# Altium PCB OneBox.PcbDoc (part 2 of 13) (continued)
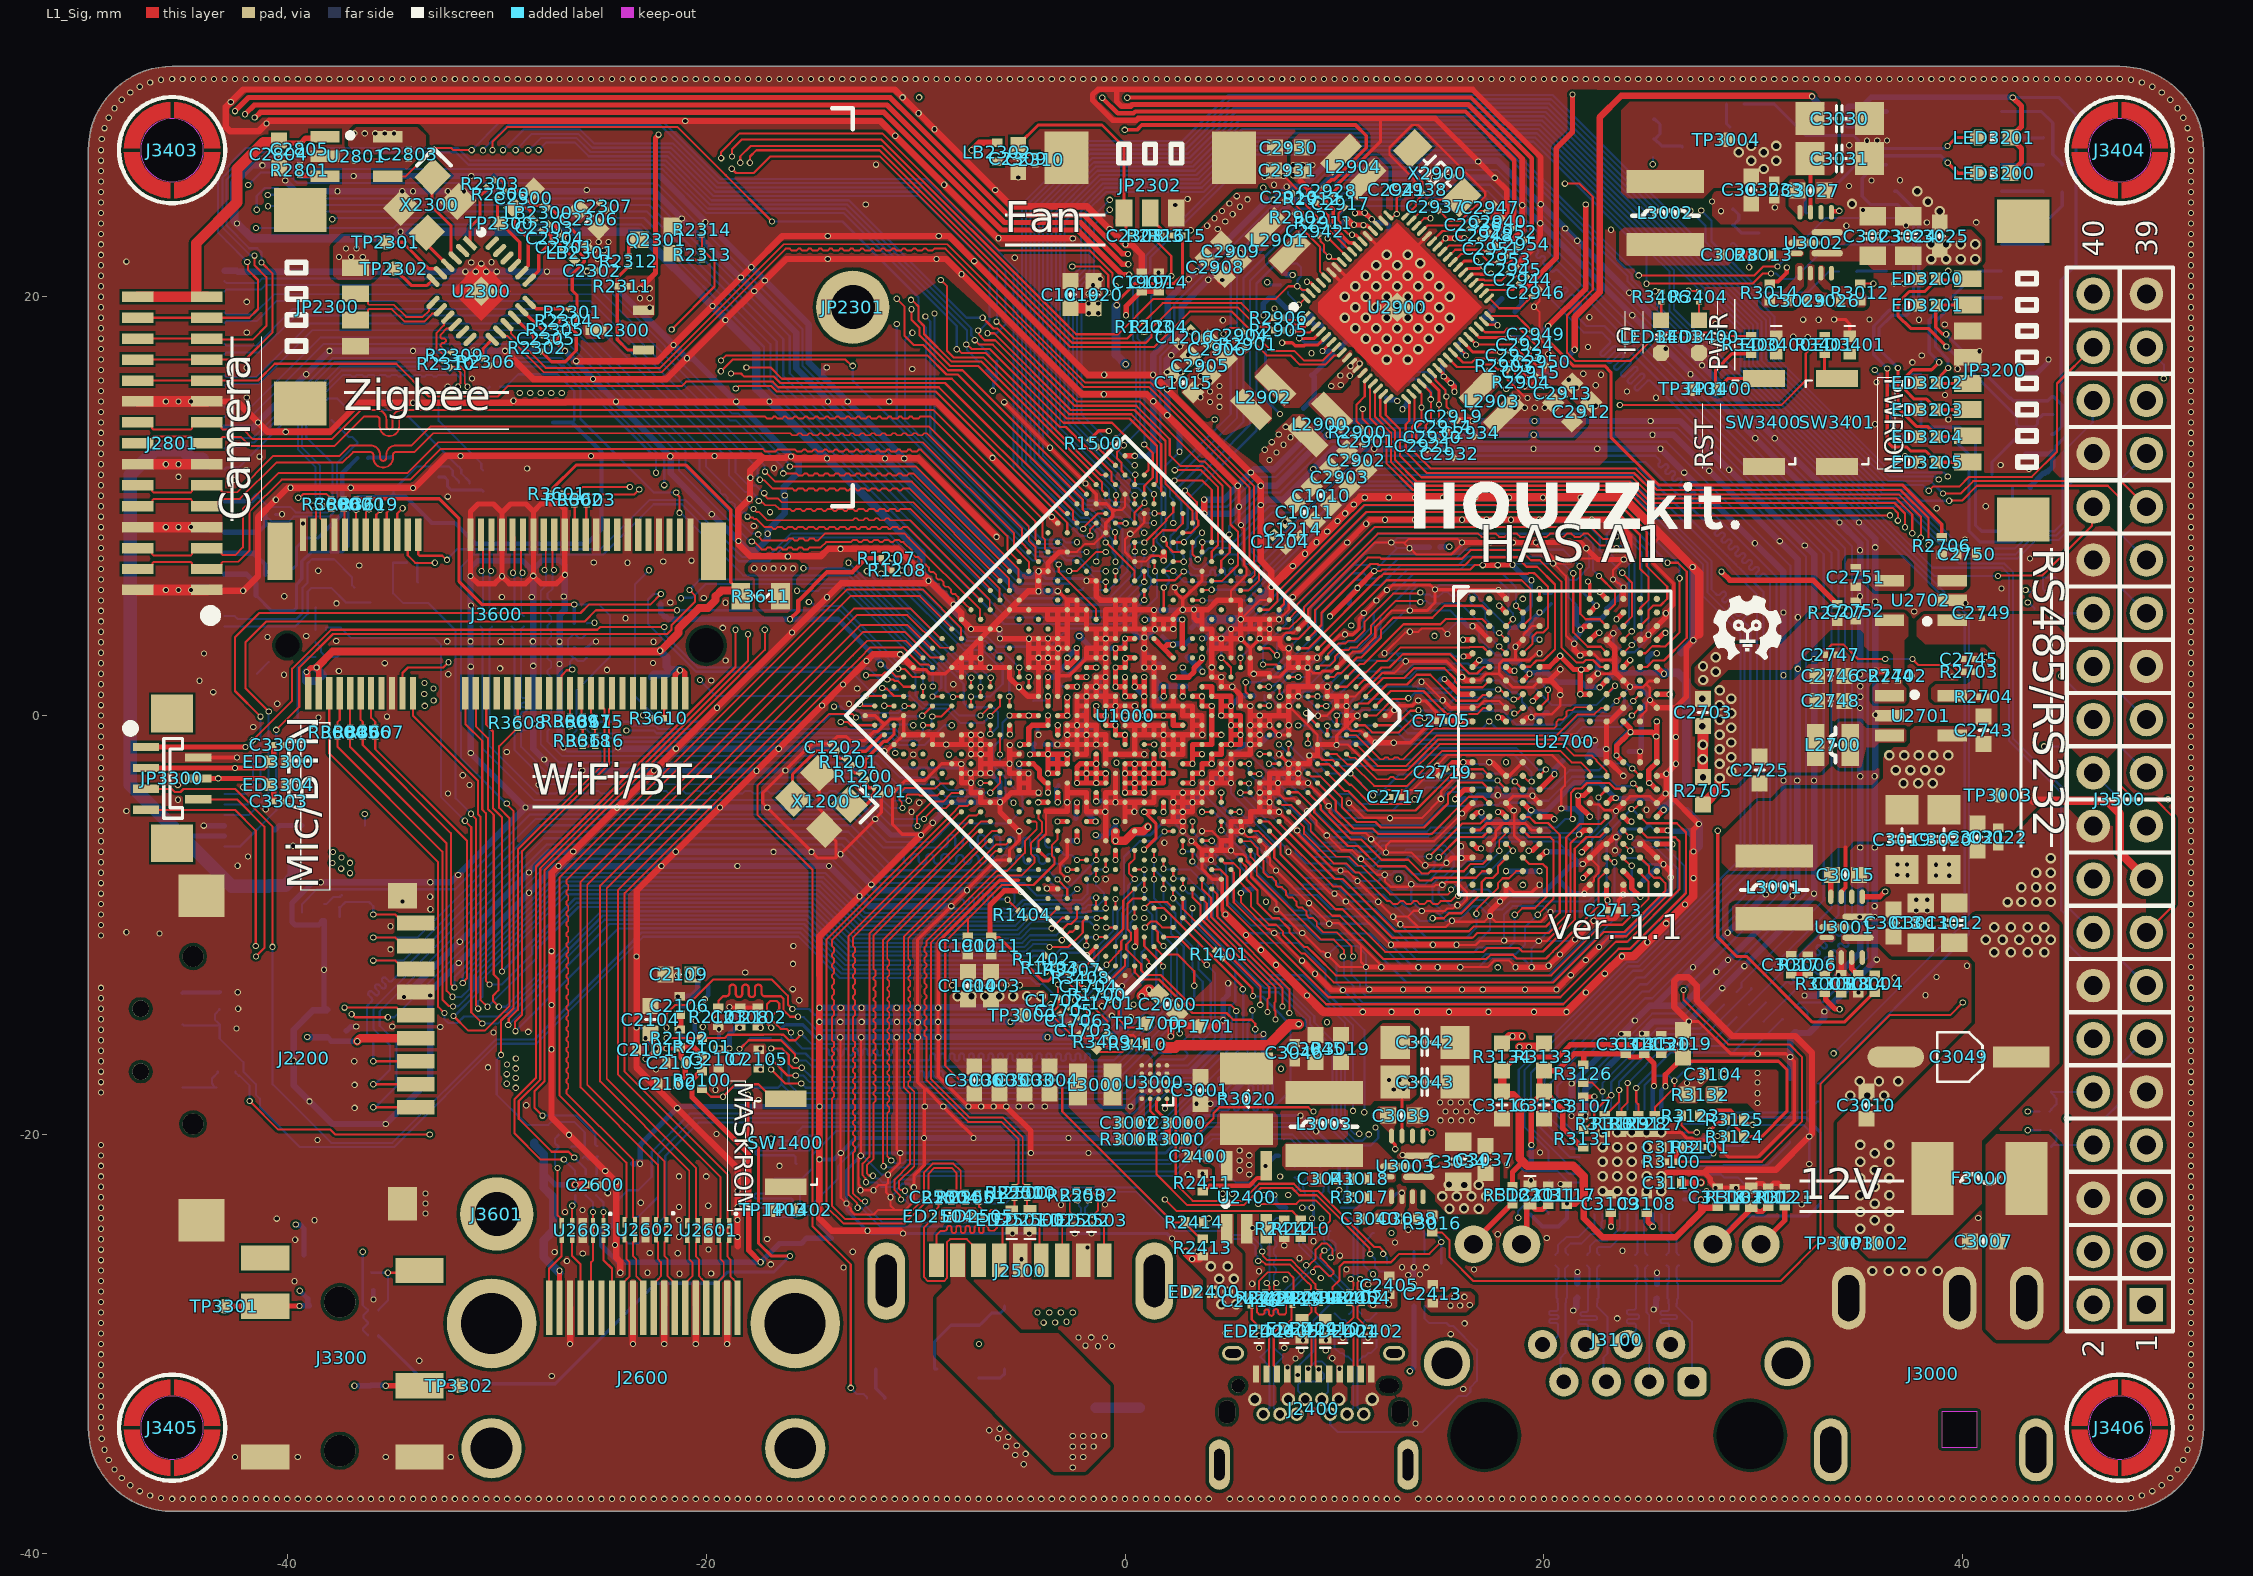
[diagram p0: L1_Sig view]
## Footprints (in the part's own frame and the unit in brackets; to place one, negate y for a bottom-side part, rotate by r counter-clockwise, add the part's x,y. Pads: shape width x height; smd on the part's side, far side on the other; paste and mask are expansions set on the pad) (continued)
  silkscreen extent -7.4,-5.3 7.3,5.08, body extent -7.25,-5 7.25,5, height 1.01
FCBGA636L [mm]
  round 0.25 smd: A1(-8.775,8.775) A2(-8.125,8.775) A3(-7.475,8.775) A4(-6.825,8.775) A5(-6.175,8.775) A6(-5.525,8.775) A7(-4.875,8.775) A8(-4.225,8.775) A9(-3.575,8.775) A10(-2.925,8.775) A11(-2.275,8.775) A12(-1.625,8.775) A13(-0.975,8.775) A14(-0.325,8.775) A15(0.325,8.775) A16(0.975,8.775) A17(1.625,8.775) A18(2.275,8.775) A19(2.925,8.775) A20(3.575,8.775) A21(4.225,8.775) A22(4.875,8.775) A23(5.525,8.775) A24(6.175,8.775) A25(6.825,8.775) A26(7.475,8.775) A27(8.125,8.775) A28(8.775,8.775) AA1(-8.775,-4.225) AA2(-8.125,-4.225) AA3(-7.475,-4.225) AA4(-6.825,-4.225) AA5(-6.175,-4.225) AA6(-5.525,-4.225) AA7(-4.875,-4.225) AA9(-3.575,-4.225) AA11(-2.275,-4.225) AA12(-1.625,-4.225) AA14(-0.325,-4.225) AA15(0.325,-4.225) AA17(1.625,-4.225) AA18(2.275,-4.225) AA20(3.575,-4.225) AA22(4.875,-4.225) AA23(5.525,-4.225) AA24(6.175,-4.225) AA25(6.825,-4.225) AA26(7.475,-4.225) AA27(8.125,-4.225) AA28(8.775,-4.225) AB1(-8.775,-4.875) AB2(-8.125,-4.875) AB5(-6.175,-4.875) AB6(-5.525,-4.875) AB8(-4.225,-4.875) AB9(-3.575,-4.875) AB11(-2.275,-4.875) AB12(-1.625,-4.875) AB14(-0.325,-4.875) AB15(0.325,-4.875) AB17(1.625,-4.875) AB18(2.275,-4.875) AB20(3.575,-4.875) AB21(4.225,-4.875) AB23(5.525,-4.875) AB24(6.175,-4.875) AB27(8.125,-4.875) AB28(8.775,-4.875) AC1(-8.775,-5.525) AC2(-8.125,-5.525) AC3(-7.475,-5.525) AC4(-6.825,-5.525) AC5(-6.175,-5.525) AC7(-4.875,-5.525) AC8(-4.225,-5.525) AC9(-3.575,-5.525) AC11(-2.275,-5.525) AC12(-1.625,-5.525) AC14(-0.325,-5.525) AC15(0.325,-5.525) AC17(1.625,-5.525) AC18(2.275,-5.525) AC20(3.575,-5.525) AC21(4.225,-5.525) AC22(4.875,-5.525) AC24(6.175,-5.525) AC25(6.825,-5.525) AC26(7.475,-5.525) AC27(8.125,-5.525) AC28(8.775,-5.525) AD1(-8.775,-6.175) AD2(-8.125,-6.175) AD3(-7.475,-6.175) AD4(-6.825,-6.175) AD6(-5.525,-6.175) AD7(-4.875,-6.175) AD8(-4.225,-6.175) AD9(-3.575,-6.175) AD11(-2.275,-6.175) AD12(-1.625,-6.175) AD14(-0.325,-6.175) AD15(0.325,-6.175) AD17(1.625,-6.175) AD18(2.275,-6.175) AD20(3.575,-6.175) AD21(4.225,-6.175) AD22(4.875,-6.175) AD23(5.525,-6.175) AD25(6.825,-6.175) AD26(7.475,-6.175) AD27(8.125,-6.175) AD28(8.775,-6.175) AE1(-8.775,-6.825) AE2(-8.125,-6.825) AE3(-7.475,-6.825) AE5(-6.175,-6.825) AE6(-5.525,-6.825) AE8(-4.225,-6.825) AE9(-3.575,-6.825) AE11(-2.275,-6.825) AE12(-1.625,-6.825) AE14(-0.325,-6.825) AE15(0.325,-6.825) AE17(1.625,-6.825) AE18(2.275,-6.825) AE20(3.575,-6.825) AE21(4.225,-6.825) AE23(5.525,-6.825) AE24(6.175,-6.825) AE26(7.475,-6.825) AE27(8.125,-6.825) AE28(8.775,-6.825) AF1(-8.775,-7.475) AF2(-8.125,-7.475) AF3(-7.475,-7.475) AF4(-6.825,-7.475) AF5(-6.175,-7.475) AF6(-5.525,-7.475) AF8(-4.225,-7.475) AF9(-3.575,-7.475) AF11(-2.275,-7.475) AF12(-1.625,-7.475) AF14(-0.325,-7.475) AF15(0.325,-7.475) AF17(1.625,-7.475) AF18(2.275,-7.475) AF20(3.575,-7.475) AF21(4.225,-7.475) AF23(5.525,-7.475) AF24(6.175,-7.475) AF25(6.825,-7.475) AF26(7.475,-7.475) AF27(8.125,-7.475) AF28(8.775,-7.475) AG1(-8.775,-8.125) AG2(-8.125,-8.125) AG3(-7.475,-8.125) AG4(-6.825,-8.125) AG5(-6.175,-8.125) AG6(-5.525,-8.125) AG7(-4.875,-8.125) AG8(-4.225,-8.125) AG9(-3.575,-8.125) AG10(-2.925,-8.125) AG11(-2.275,-8.125) AG12(-1.625,-8.125) AG13(-0.975,-8.125) AG14(-0.325,-8.125) AG15(0.325,-8.125) AG16(0.975,-8.125) AG17(1.625,-8.125) AG18(2.275,-8.125) AG19(2.925,-8.125) AG20(3.575,-8.125) AG21(4.225,-8.125) AG22(4.875,-8.125) AG23(5.525,-8.125) AG24(6.175,-8.125) AG25(6.825,-8.125) AG26(7.475,-8.125) AG27(8.125,-8.125) AG28(8.775,-8.125) AH1(-8.775,-8.775) AH2(-8.125,-8.775) AH3(-7.475,-8.775) AH4(-6.825,-8.775) AH5(-6.175,-8.775) AH6(-5.525,-8.775) AH7(-4.875,-8.775) AH8(-4.225,-8.775) AH9(-3.575,-8.775) AH10(-2.925,-8.775) AH11(-2.275,-8.775) AH12(-1.625,-8.775) AH13(-0.975,-8.775) AH14(-0.325,-8.775) AH15(0.325,-8.775) AH16(0.975,-8.775) AH17(1.625,-8.775) AH18(2.275,-8.775) AH19(2.925,-8.775) AH20(3.575,-8.775) AH21(4.225,-8.775) AH22(4.875,-8.775) AH23(5.525,-8.775) AH24(6.175,-8.775) AH25(6.825,-8.775) AH26(7.475,-8.775) AH27(8.125,-8.775) AH28(8.775,-8.775) B1(-8.775,8.125) B2(-8.125,8.125) B3(-7.475,8.125) B4(-6.825,8.125) B5(-6.175,8.125) B6(-5.525,8.125) B7(-4.875,8.125) B8(-4.225,8.125) B9(-3.575,8.125) B10(-2.925,8.125) B11(-2.275,8.125) B12(-1.625,8.125) B13(-0.975,8.125) B14(-0.325,8.125) B15(0.325,8.125) B16(0.975,8.125) B17(1.625,8.125) B18(2.275,8.125) B19(2.925,8.125) B20(3.575,8.125) B21(4.225,8.125) B22(4.875,8.125) B23(5.525,8.125) B24(6.175,8.125) B25(6.825,8.125) B26(7.475,8.125) B27(8.125,8.125) B28(8.775,8.125) C1(-8.775,7.475) C2(-8.125,7.475) C3(-7.475,7.475) C4(-6.825,7.475) C5(-6.175,7.475) C6(-5.525,7.475) C8(-4.225,7.475) C9(-3.575,7.475) C11(-2.275,7.475) C12(-1.625,7.475) C14(-0.325,7.475) C15(0.325,7.475) C17(1.625,7.475) C18(2.275,7.475) C20(3.575,7.475) C21(4.225,7.475) C23(5.525,7.475) C24(6.175,7.475) C25(6.825,7.475) C26(7.475,7.475) C27(8.125,7.475) C28(8.775,7.475) D1(-8.775,6.825) D2(-8.125,6.825) D3(-7.475,6.825) D5(-6.175,6.825) D6(-5.525,6.825) D8(-4.225,6.825) D9(-3.575,6.825) D11(-2.275,6.825) D12(-1.625,6.825) D14(-0.325,6.825) D15(0.325,6.825) D17(1.625,6.825) D18(2.275,6.825) D20(3.575,6.825) D21(4.225,6.825) D23(5.525,6.825) D24(6.175,6.825) D26(7.475,6.825) D27(8.125,6.825) D28(8.775,6.825) E1(-8.775,6.175) E2(-8.125,6.175) E3(-7.475,6.175) E4(-6.825,6.175) E6(-5.525,6.175) E7(-4.875,6.175) E8(-4.225,6.175) E9(-3.575,6.175) E11(-2.275,6.175) E12(-1.625,6.175) E14(-0.325,6.175) E15(0.325,6.175) E17(1.625,6.175) E18(2.275,6.175) E20(3.575,6.175) E21(4.225,6.175) E22(4.875,6.175) E23(5.525,6.175) E25(6.825,6.175) E26(7.475,6.175) E27(8.125,6.175) E28(8.775,6.175) F1(-8.775,5.525) F2(-8.125,5.525) F3(-7.475,5.525) F4(-6.825,5.525) F5(-6.175,5.525) F7(-4.875,5.525) F8(-4.225,5.525) F9(-3.575,5.525) F11(-2.275,5.525) F12(-1.625,5.525) F14(-0.325,5.525) F15(0.325,5.525) F17(1.625,5.525) F18(2.275,5.525) F20(3.575,5.525) F21(4.225,5.525) F22(4.875,5.525) F24(6.175,5.525) F25(6.825,5.525) F26(7.475,5.525) F27(8.125,5.525) F28(8.775,5.525) G1(-8.775,4.875) G2(-8.125,4.875) G5(-6.175,4.875) G6(-5.525,4.875) G8(-4.225,4.875) G9(-3.575,4.875) G11(-2.275,4.875) G12(-1.625,4.875) G14(-0.325,4.875) G15(0.325,4.875) G17(1.625,4.875) G18(2.275,4.875) G20(3.575,4.875) G21(4.225,4.875) G23(5.525,4.875) G24(6.175,4.875) G27(8.125,4.875) G28(8.775,4.875) H1(-8.775,4.225) H2(-8.125,4.225) H3(-7.475,4.225) H4(-6.825,4.225) H5(-6.175,4.225) H6(-5.525,4.225) H7(-4.875,4.225) H9(-3.575,4.225) H11(-2.275,4.225) H12(-1.625,4.225) H14(-0.325,4.225) H15(0.325,4.225) H17(1.625,4.225) H18(2.275,4.225) H20(3.575,4.225) H22(4.875,4.225) H23(5.525,4.225) H24(6.175,4.225) H25(6.825,4.225) H26(7.475,4.225) H27(8.125,4.225) H28(8.775,4.225) J1(-8.775,3.575) J2(-8.125,3.575) J3(-7.475,3.575) J4(-6.825,3.575) J5(-6.175,3.575) J6(-5.525,3.575) J7(-4.875,3.575) J8(-4.225,3.575) J9(-3.575,3.575) J11(-2.275,3.575) J12(-1.625,3.575) J14(-0.325,3.575) J15(0.325,3.575) J17(1.625,3.575) J18(2.275,3.575) J20(3.575,3.575) J21(4.225,3.575) J22(4.875,3.575) J23(5.525,3.575) J24(6.175,3.575) J25(6.825,3.575) J26(7.475,3.575) J27(8.125,3.575) J28(8.775,3.575) K1(-8.775,2.925) K2(-8.125,2.925) K10(-2.925,2.925) K11(-2.275,2.925) K12(-1.625,2.925) K13(-0.975,2.925) K14(-0.325,2.925) K15(0.325,2.925) K16(0.975,2.925) K17(1.625,2.925) K18(2.275,2.925) K19(2.925,2.925) K27(8.125,2.925) K28(8.775,2.925) L1(-8.775,2.275) L2(-8.125,2.275) L3(-7.475,2.275) L4(-6.825,2.275) L5(-6.175,2.275) L6(-5.525,2.275) L7(-4.875,2.275) L8(-4.225,2.275) L9(-3.575,2.275) L10(-2.925,2.275) L11(-2.275,2.275) L12(-1.625,2.275) L13(-0.975,2.275) L14(-0.325,2.275) L15(0.325,2.275) L16(0.975,2.275) L17(1.625,2.275) L18(2.275,2.275) L19(2.925,2.275) L20(3.575,2.275) L21(4.225,2.275) L22(4.875,2.275) L23(5.525,2.275) L24(6.175,2.275) L25(6.825,2.275) L26(7.475,2.275) L27(8.125,2.275) L28(8.775,2.275) M1(-8.775,1.625) M2(-8.125,1.625) M3(-7.475,1.625) M4(-6.825,1.625) M5(-6.175,1.625) M6(-5.525,1.625) M7(-4.875,1.625) M8(-4.225,1.625) M9(-3.575,1.625) M10(-2.925,1.625) M11(-2.275,1.625) M12(-1.625,1.625) M13(-0.975,1.625) M14(-0.325,1.625) M15(0.325,1.625) M16(0.975,1.625) M17(1.625,1.625) M18(2.275,1.625) M19(2.925,1.625) M20(3.575,1.625) M21(4.225,1.625) M22(4.875,1.625) M23(5.525,1.625) M24(6.175,1.625) M25(6.825,1.625) M26(7.475,1.625) M27(8.125,1.625) M28(8.775,1.625) N1(-8.775,0.975) N2(-8.125,0.975) N10(-2.925,0.975) N11(-2.275,0.975) N12(-1.625,0.975) N13(-0.975,0.975) N14(-0.325,0.975) N15(0.325,0.975) N16(0.975,0.975) N17(1.625,0.975) N18(2.275,0.975) N19(2.925,0.975) N27(8.125,0.975) N28(8.775,0.975) P1(-8.775,0.325) P2(-8.125,0.325) P3(-7.475,0.325) P4(-6.825,0.325) P5(-6.175,0.325) P6(-5.525,0.325) P7(-4.875,0.325) P8(-4.225,0.325) P9(-3.575,0.325) P10(-2.925,0.325) P11(-2.275,0.325) P12(-1.625,0.325) P13(-0.975,0.325) P14(-0.325,0.325) P15(0.325,0.325) P16(0.975,0.325) P17(1.625,0.325) P18(2.275,0.325) P19(2.925,0.325) P20(3.575,0.325) P21(4.225,0.325) P22(4.875,0.325) P23(5.525,0.325) P24(6.175,0.325) P25(6.825,0.325) P26(7.475,0.325) P27(8.125,0.325) P28(8.775,0.325) R1(-8.775,-0.325) R2(-8.125,-0.325) R3(-7.475,-0.325) R4(-6.825,-0.325) R5(-6.175,-0.325) R6(-5.525,-0.325) R7(-4.875,-0.325) R8(-4.225,-0.325) R9(-3.575,-0.325) R10(-2.925,-0.325) R11(-2.275,-0.325) R12(-1.625,-0.325) R13(-0.975,-0.325) R14(-0.325,-0.325) R15(0.325,-0.325) R16(0.975,-0.325) R17(1.625,-0.325) R18(2.275,-0.325) R19(2.925,-0.325) R20(3.575,-0.325) R21(4.225,-0.325) R22(4.875,-0.325) R23(5.525,-0.325) R24(6.175,-0.325) R25(6.825,-0.325) R26(7.475,-0.325) R27(8.125,-0.325) R28(8.775,-0.325) T1(-8.775,-0.975) T2(-8.125,-0.975) T10(-2.925,-0.975) T11(-2.275,-0.975) T12(-1.625,-0.975) T13(-0.975,-0.975) T14(-0.325,-0.975) T15(0.325,-0.975) T16(0.975,-0.975) T17(1.625,-0.975) T18(2.275,-0.975) T19(2.925,-0.975) T27(8.125,-0.975) T28(8.775,-0.975) U1(-8.775,-1.625) U2(-8.125,-1.625) U3(-7.475,-1.625) U4(-6.825,-1.625) U5(-6.175,-1.625) U6(-5.525,-1.625) U7(-4.875,-1.625) U8(-4.225,-1.625) U9(-3.575,-1.625) U10(-2.925,-1.625) U11(-2.275,-1.625) U12(-1.625,-1.625) U13(-0.975,-1.625) U14(-0.325,-1.625) U15(0.325,-1.625) U16(0.975,-1.625) U17(1.625,-1.625) U18(2.275,-1.625) U19(2.925,-1.625) U20(3.575,-1.625) U21(4.225,-1.625) U22(4.875,-1.625) U23(5.525,-1.625) U24(6.175,-1.625) U25(6.825,-1.625) U26(7.475,-1.625) U27(8.125,-1.625) U28(8.775,-1.625) V1(-8.775,-2.275) V2(-8.125,-2.275) V3(-7.475,-2.275) V4(-6.825,-2.275) V5(-6.175,-2.275) V6(-5.525,-2.275) V7(-4.875,-2.275) V8(-4.225,-2.275) V9(-3.575,-2.275) V10(-2.925,-2.275) V11(-2.275,-2.275) V12(-1.625,-2.275) V13(-0.975,-2.275) V14(-0.325,-2.275) V15(0.325,-2.275) V16(0.975,-2.275) V17(1.625,-2.275) V18(2.275,-2.275) V19(2.925,-2.275) V20(3.575,-2.275) V21(4.225,-2.275) V22(4.875,-2.275) V23(5.525,-2.275) V24(6.175,-2.275) V25(6.825,-2.275) V26(7.475,-2.275) V27(8.125,-2.275) V28(8.775,-2.275) W1(-8.775,-2.925) W2(-8.125,-2.925) W10(-2.925,-2.925) W11(-2.275,-2.925) W12(-1.625,-2.925) W13(-0.975,-2.925) W14(-0.325,-2.925) W15(0.325,-2.925) W16(0.975,-2.925) W17(1.625,-2.925) W18(2.275,-2.925) W19(2.925,-2.925) W27(8.125,-2.925) W28(8.775,-2.925) Y1(-8.775,-3.575) Y2(-8.125,-3.575) Y3(-7.475,-3.575) Y4(-6.825,-3.575) Y5(-6.175,-3.575) Y6(-5.525,-3.575) Y7(-4.875,-3.575) Y8(-4.225,-3.575) Y9(-3.575,-3.575) Y11(-2.275,-3.575) Y12(-1.625,-3.575) Y14(-0.325,-3.575) Y15(0.325,-3.575) Y17(1.625,-3.575) Y18(2.275,-3.575) Y20(3.575,-3.575) Y21(4.225,-3.575) Y22(4.875,-3.575) Y23(5.525,-3.575) Y24(6.175,-3.575) Y25(6.825,-3.575) Y26(7.475,-3.575) Y27(8.125,-3.575) Y28(8.775,-3.575)
  silkscreen extent -9.43,-9.43 9.43,9.43, body extent -9.48,-9.52 9.52,9.48, height 1.49
"FPC0.5 2H-WS-6P" [mm] "长：7.2mm，宽：5.2mm，高：2mm"
  rect 1.8x2.2 smd: 0(-2.9,0) 0(2.9,0)
  rect 0.3x1.3 smd: 1(-1.25,2.497) 2(-0.75,2.497) 3(-0.25,2.497) 4(0.25,2.497) 5(0.75,2.497) 6(1.25,2.497)
  body extent -3.6,-3.15 3.6,2.85, height 2
"FPC0.5 2H-WS-40P" [mm] "长：24.2mm，宽：5.2mm，高：2mm"
  rect 1.8x2.2 smd: 0(-11.4,0) 0(11.4,0)
  rect 0.3x1.3 smd: 1(-9.75,2.497) 2(-9.25,2.497) 3(-8.75,2.497) 4(-8.25,2.497) 5(-7.75,2.497) 6(-7.25,2.497) 7(-6.75,2.497) 8(-6.25,2.497) 9(-5.75,2.497) 10(-5.25,2.497) 11(-4.75,2.497) 12(-4.25,2.497) 13(-3.75,2.497) 14(-3.25,2.497) 15(-2.75,2.497) 16(-2.25,2.497) 17(-1.75,2.497) 18(-1.25,2.497) 19(-0.75,2.497) 20(-0.25,2.497) 21(0.25,2.497) 22(0.75,2.497) 23(1.25,2.497) 24(1.75,2.497) 25(2.25,2.497) 26(2.75,2.497) 27(3.25,2.497) 28(3.75,2.497) 29(4.25,2.497) 30(4.75,2.497) 31(5.25,2.497) 32(5.75,2.497) 33(6.25,2.497) 34(6.75,2.497) 35(7.25,2.497) 36(7.75,2.497) 37(8.25,2.497) 38(8.75,2.497) 39(9.25,2.497) 40(9.75,2.497)
  body extent -12.1,-3.15 12.1,2.85, height 2
"FPC0.5 K-A-7PB" [mm] "长：7.7mm，宽：5.2mm，高：2mm"
  rect 0.4x1.25 smd mask+0.05: 1(-1.5,-1.25) 2(-1,1.25) 3(-0.5,-1.25) 4(0,1.25) 5(0.5,-1.25) 6(1,1.25) 7(1.5,-1.25)
  rect 1.8x2 smd mask+0.05: 8(3.1,0) 9(-3.1,0)
  silkscreen extent -2.59,-2.19 1.9,0.5, body extent -4.6,-1.73 4.55,1.77, height 4.55
FPC1.0-2H-LI-15P [mm] "翻盖FPC，脚距1mm，不含脚（长19.9mm，宽5.2mm，高1.96mm）"
  rect 0.5x1.5 smd mask+0.05: 1(-7,-1.65) 1(-7,1.65) 2(-6,-1.65) 2(-6,1.65) 3(-5,-1.65) 3(-5,1.65) 4(-4,-1.65) 4(-4,1.65) 5(-3,-1.65) 5(-3,1.65) 6(-2,-1.65) 6(-2,1.65) 7(-1,1.65) 7(-1,-1.65) 8(0,1.65) 8(0,-1.65) 9(1,1.65) 9(1,-1.65) 10(2,-1.65) 10(2,1.65) 11(3,-1.65) 11(3,1.65) 12(4,-1.65) 12(4,1.65) 13(5,-1.65) 13(5,1.65) 14(6,-1.65) 14(6,1.65) 15(7,-1.65) 15(7,1.65)
  silkscreen extent -8.47,-2.08 -7.97,-1.58, body extent -11.05,-2.25 11.05,2.25, height 5.5
"FU 1812" [mm] "贴片保险丝"
  rect 2x3.5 smd: 1(-2.25,0) 2(2.25,0)
  silkscreen extent -0.91,-0.2 0.87,0.24, body extent -2.3,-1.61 2.3,1.61, height 0.87
HDMI [mm]
  rect 0.3x2.6 smd: 1(4.5,5.235) 2(4,5.235) 3(3.5,5.235) 4(3,5.235) 5(2.5,5.235) 6(2,5.235) 7(1.5,5.235) 8(1,5.235) 9(0.5,5.235) 10(0,5.235) 11(-0.5,5.235) 12(-1,5.235) 13(-1.5,5.235) 14(-2,5.235) 15(-2.5,5.235) 16(-3,5.235) 17(-3.5,5.235) 18(-4,5.235) 19(-4.5,5.235)
  round 4.275 hole 2.909: MH1(-7.25,4.475) MH2(7.25,4.475)
  round 2.88 hole 1.992: MH3(-7.25,-1.485) MH4(7.25,-1.485)
  body extent -7.5,-5.99 7.5,6.16, height 6.18
HDR2.54-LI-2X20P [mm] "双排排针，20x2脚"
  rect 1.6x1.6 hole 0.9: 1(-24.13,-1.27)
  round 1.6 hole 0.9: 2(-24.13,1.27) 3(-21.59,-1.27) 4(-21.59,1.27) 5(-19.05,-1.27) 6(-19.05,1.27) 7(-16.51,-1.27) 8(-16.51,1.27) 9(-13.97,-1.27) 10(-13.97,1.27) 11(-11.43,-1.27) 12(-11.43,1.27) 13(-8.89,-1.27) 14(-8.89,1.27) 15(-6.35,-1.27) 16(-6.35,1.27) 17(-3.81,-1.27) 18(-3.81,1.27) 19(-1.27,-1.27) 20(-1.27,1.27) 21(1.27,-1.27) 22(1.27,1.27) 23(3.81,-1.27) 24(3.81,1.27) 25(6.35,-1.27) 26(6.35,1.27) 27(8.89,-1.27) 28(8.89,1.27) 29(11.43,-1.27) 30(11.43,1.27) 31(13.97,-1.27) 32(13.97,1.27) 33(16.51,-1.27) 34(16.51,1.27) 35(19.05,-1.27) 36(19.05,1.27) 37(21.59,-1.27) 38(21.59,1.27) 39(24.13,-1.27) 40(24.13,1.27)
  silkscreen extent -25.4,-2.54 25.4,2.54, body extent -25.4,-2.54 25.4,2.54, height 8.5
"LED 0603B" [mil] "蓝色0603LED"
  rect 30x30 smd: 1(-30.59,0)
  oct 30x30 smd: 2(30.59,0)
  silkscreen extent -4,-10 6,9, body extent -31,-16 32,16, height 24
"LED 0603G" [mil] "绿色0603LED"
  rect 30x30 smd: 1(-30.59,0)
  oct 30x30 smd: 2(30.59,0)
  silkscreen extent -4,-10 6,9, body extent -31,-16 32,16, height 24
"LED 0603Y" [mil] "黄色0603LED"
  rect 30x30 smd: 1(-30.59,0)
  oct 30x30 smd: 2(30.59,0)
  silkscreen extent -4,-10 6,9, body extent -31,-16 31,16, height 24
"M.2 NGFF E-KEY" [mm]
  rect 0.3x1.55 smd: 1(-9.25,3.625) 2(-9,-3.925) 3(-8.75,3.625) 4(-8.5,-3.925) 5(-8.25,3.625) 6(-8,-3.925) 7(-7.75,3.625) 8(-7.5,-3.925) 9(-7.25,3.625) 10(-7,-3.925) 11(-6.75,3.625) 12(-6.5,-3.925) 13(-6.25,3.625) 14(-6,-3.925) 15(-5.75,3.625) 16(-5.5,-3.925) 17(-5.25,3.625) 18(-5,-3.925) 19(-4.75,3.625) 20(-4.5,-3.925) 21(-4.25,3.625) 22(-4,-3.925) 23(-3.75,3.625) 32(-1.5,-3.925) 33(-1.25,3.625) 34(-1,-3.925) 35(-0.75,3.625) 36(-0.5,-3.925) 37(-0.25,3.625) 38(0,-3.925) 39(0.25,3.625) 40(0.5,-3.925) 41(0.75,3.625) 42(1,-3.925) 43(1.25,3.625) 44(1.5,-3.925) 45(1.75,3.625) 46(2,-3.925) 47(2.25,3.625) 48(2.5,-3.925) 49(2.75,3.625) 50(3,-3.925) 51(3.25,3.625) 52(3.5,-3.925) 53(3.75,3.625) 54(4,-3.925) 55(4.25,3.625) 56(4.5,-3.925) 57(4.75,3.625) 58(5,-3.925) 59(5.25,3.625) 60(5.5,-3.925) 61(5.75,3.625) 62(6,-3.925) 63(6.25,3.625) 64(6.5,-3.925) 65(6.75,3.625) 66(7,-3.925) 67(7.25,3.625) 68(7.5,-3.925) 69(7.75,3.625) 70(8,-3.925) 71(8.25,3.625) 72(8.5,-3.925) 73(8.75,3.625) 74(9,-3.925) 75(9.25,3.625)
  rect 1.2x2.75 smd: 76(-10.35,2.85) 77(10.35,2.85)
  round 0.575 hole 1.15 unplated: 78(-10,-1.65)
  round 0.825 hole 1.65 unplated: 79(10,-1.65)
  body extent -10.95,-4.5 10.95,4.2, height 4.13
"M.2 SMT HOLE" [mm]
  L1_Sig region: 2.294,-0.099 1.544,-0.099 1.544,-0.099 1.54,-0.157 1.533,-0.214 1.524,-0.27 1.513,-0.327 1.5,-0.383 1.485,-0.438 1.468,-0.493 1.448,-0.547 1.427,-0.6 1.404,-0.653 1.379,-0.705 1.352,-0.755 1.323,-0.805 1.292,-0.854 1.26,-0.901 1.226,-0.947 1.19,-0.992 1.152,-1.036 1.113,-1.078 1.073,-1.118 1.031,-1.158 0.987,-1.195 0.942,-1.231 0.896,-1.265 0.849,-1.298 0.8,-1.328 0.75,-1.357 0.7,-1.384 0.648,-1.409 0.595,-1.432 0.542,-1.453 0.488,-1.473 0.433,-1.49 0.378,-1.505 0.322,-1.518 0.265,-1.529 0.208,-1.538 0.151,-1.545 0.094,-1.549 0.094,-2.299 0.094,-2.299 0.164,-2.295 0.233,-2.289 0.302,-2.281 0.371,-2.271 0.44,-2.258 0.508,-2.244 0.576,-2.227 0.643,-2.208 0.71,-2.188 0.776,-2.165 0.841,-2.141 0.905,-2.114 0.969,-2.085 1.032,-2.055 1.094,-2.023 1.154,-1.988 1.214,-1.952 1.273,-1.915 1.33,-1.875 1.386,-1.834 1.441,-1.791 1.495,-1.746 1.547,-1.7 1.598,-1.652 1.647,-1.603 1.695,-1.552 1.741,-1.5 1.786,-1.446 1.829,-1.391 1.87,-1.335 1.91,-1.278 1.947,-1.219 1.983,-1.159 2.018,-1.099 2.05,-1.037 2.08,-0.974 2.109,-0.911 2.135,-0.846 2.16,-0.781 2.183,-0.715 2.203,-0.648 2.222,-0.581 2.239,-0.513 2.253,-0.445 2.265,-0.377 2.276,-0.308 2.284,-0.238 2.29,-0.169 2.294,-0.099
  L1_Sig region: -2.3,0.094 -1.55,0.094 -1.55,0.094 -1.545,0.151 -1.538,0.208 -1.529,0.265 -1.518,0.321 -1.505,0.377 -1.49,0.432 -1.473,0.487 -1.454,0.542 -1.433,0.595 -1.41,0.647 -1.384,0.699 -1.357,0.75 -1.329,0.8 -1.298,0.848 -1.266,0.896 -1.231,0.942 -1.195,0.987 -1.158,1.03 -1.119,1.072 -1.078,1.113 -1.036,1.152 -0.993,1.189 -0.948,1.225 -0.902,1.259 -0.854,1.292 -0.806,1.323 -0.756,1.351 -0.705,1.378 -0.653,1.404 -0.601,1.427 -0.547,1.448 -0.493,1.467 -0.438,1.484 -0.383,1.499 -0.327,1.512 -0.271,1.523 -0.214,1.532 -0.157,1.539 -0.1,1.544 -0.1,2.294 -0.1,2.294 -0.169,2.29 -0.239,2.284 -0.308,2.275 -0.377,2.265 -0.446,2.253 -0.514,2.238 -0.582,2.222 -0.649,2.203 -0.715,2.182 -0.781,2.16 -0.847,2.135 -0.911,2.108 -0.975,2.08 -1.037,2.049 -1.099,2.017 -1.16,1.983 -1.22,1.947 -1.278,1.909 -1.336,1.87 -1.392,1.828 -1.447,1.785 -1.5,1.741 -1.552,1.694 -1.603,1.647 -1.653,1.597 -1.7,1.546 -1.747,1.494 -1.791,1.441 -1.834,1.386 -1.875,1.33 -1.915,1.272 -1.953,1.214 -1.989,1.154 -2.023,1.093 -2.055,1.031 -2.086,0.969 -2.114,0.905 -2.141,0.841 -2.166,0.775 -2.188,0.709 -2.209,0.643 -2.227,0.576 -2.244,0.508 -2.259,0.44 -2.271,0.371 -2.281,0.302 -2.29,0.233 -2.296,0.163 -2.3,0.094
  L1_Sig region: -0.099,-2.3 -0.099,-1.55 -0.099,-1.55 -0.157,-1.545 -0.214,-1.538 -0.27,-1.529 -0.327,-1.518 -0.383,-1.505 -0.438,-1.49 -0.493,-1.473 -0.547,-1.454 -0.601,-1.433 -0.653,-1.41 -0.705,-1.384 -0.755,-1.357 -0.805,-1.329 -0.854,-1.298 -0.901,-1.266 -0.947,-1.231 -0.992,-1.195 -1.036,-1.158 -1.078,-1.119 -1.118,-1.078 -1.158,-1.036 -1.195,-0.993 -1.231,-0.948 -1.265,-0.902 -1.298,-0.854 -1.328,-0.806 -1.357,-0.756 -1.384,-0.705 -1.409,-0.653 -1.432,-0.601 -1.453,-0.548 -1.473,-0.493 -1.49,-0.439 -1.505,-0.383 -1.518,-0.327 -1.529,-0.271 -1.538,-0.214 -1.545,-0.157 -1.549,-0.1 -2.299,-0.1 -2.299,-0.1 -2.295,-0.169 -2.289,-0.239 -2.281,-0.308 -2.271,-0.377 -2.258,-0.446 -2.244,-0.514 -2.227,-0.582 -2.209,-0.649 -2.188,-0.715 -2.165,-0.781 -2.141,-0.847 -2.114,-0.911 -2.086,-0.975 -2.055,-1.037 -2.023,-1.099 -1.989,-1.16 -1.953,-1.22 -1.915,-1.278 -1.875,-1.336 -1.834,-1.392 -1.791,-1.447 -1.746,-1.5 -1.7,-1.553 -1.652,-1.603 -1.603,-1.653 -1.552,-1.7 -1.5,-1.747 -1.446,-1.791 -1.391,-1.834 -1.335,-1.876 -1.278,-1.915 -1.219,-1.953 -1.16,-1.989 -1.099,-2.023 -1.037,-2.055 -0.974,-2.086 -0.911,-2.114 -0.846,-2.141 -0.781,-2.166 -0.715,-2.188 -0.648,-2.209 -0.581,-2.228 -0.513,-2.244 -0.445,-2.259 -0.377,-2.271 -0.308,-2.281 -0.238,-2.29 -0.169,-2.296 -0.099,-2.3
  L1_Sig region: 0.094,2.294 0.094,1.544 0.094,1.544 0.151,1.539 0.208,1.533 0.265,1.524 0.321,1.513 0.377,1.5 0.432,1.485 0.487,1.467 0.541,1.448 0.595,1.427 0.647,1.404 0.699,1.379 0.75,1.352 0.8,1.323 0.848,1.292 0.896,1.26 0.942,1.226 0.987,1.19 1.03,1.152 1.072,1.113 1.113,1.073 1.152,1.031 1.189,0.987 1.225,0.942 1.259,0.896 1.292,0.849 1.323,0.8 1.351,0.75 1.378,0.7 1.403,0.648 1.427,0.595 1.448,0.542 1.467,0.488 1.484,0.433 1.499,0.378 1.512,0.322 1.523,0.265 1.532,0.208 1.539,0.151 1.544,0.094 2.294,0.094 2.294,0.094 2.29,0.164 2.283,0.233 2.275,0.302 2.265,0.371 2.252,0.44 2.238,0.508 2.221,0.576 2.203,0.643 2.182,0.71 2.16,0.776 2.135,0.841 2.108,0.905 2.08,0.969 2.049,1.032 2.017,1.094 1.983,1.154 1.947,1.214 1.909,1.273 1.869,1.33 1.828,1.386 1.785,1.441 1.741,1.495 1.694,1.547 1.647,1.598 1.597,1.647 1.546,1.695 1.494,1.741 1.441,1.786 1.386,1.829 1.33,1.87 1.272,1.91 1.214,1.947 1.154,1.983 1.093,2.018 1.031,2.05 0.969,2.08 0.905,2.109 0.84,2.135 0.775,2.16 0.709,2.183 0.643,2.203 0.575,2.222 0.508,2.239 0.44,2.253 0.371,2.265 0.302,2.276 0.233,2.284 0.163,2.29 0.094,2.294
  Keep-Out Layer board cut-out: 1.497,-0.003 1.349,0.648 0.932,1.17 0.331,1.46 -0.337,1.46 -0.938,1.17 -1.354,0.648 -1.503,-0.003 -1.503,-0.003 -1.354,-0.654 -0.938,-1.176 -0.337,-1.465 0.331,-1.465 0.932,-1.176 1.349,-0.654 1.497,-0.003
  silkscreen extent -2.54,-2.54 2.53,2.53
"MICRO SD" [mm]
  round 1 hole 1 unplated: 0(-4,0) 0(4,0)
  rect 0.7x1.8 smd: 1(3.2,10.627) 2(2.1,10.627) 3(1,10.627) 4(-0.1,10.627) 5(-1.2,10.627) 6(-2.3,10.627) 7(-3.4,10.627) 8(-4.5,10.627) 9(-5.6,10.627)
  rect 2.032x2.2 smd: 10(-6.9,0.4) 10(8.6,0.4)
  rect 1.2x1.4 smd: 10(-6.9,10)
  rect 1.6x1.4 smd: 10(7.8,10)
  body extent -7.05,-4 8.95,11.25, height 2
MSK-12C01-07 [mm] "6.7*2.8*1.5mm(长宽高）"
  rect 1.4x0.8 smd: 0(-3.65,-1.25) 0(-3.65,1.25) 0(3.65,-1.25) 0(3.65,1.25)
  rect 0.6x1.5 smd: 1(-2.25,1.996) 2(0.75,1.996) 3(2.25,1.996)
  round 0.8 hole 0.8: " "(-1.5,0) " "(1.5,0)
  body extent -3.92,-2.9 3.92,2.4, height 1.5
"MX 1.25-LS-3P" [mm] "长：8.5m，宽：3.7mm，高：4.7mm"
  rect 2.1x2.5 smd: 0(-0.254,-0.381) 0(7.732,-0.381)
  rect 0.8x1.3 smd: 1(2.489,2.261) 2(3.739,2.261) 3(4.989,2.261)
  silkscreen extent 2.24,-1.02 5.24,-0.13, body extent -0.7,-1.6 8.2,2.5, height 4.7
"MX 1.25-LS-4P" [mm] "长：9.75m，宽：3.7mm，高：4.7mm"
  rect 2.1x2.5 smd: 0(-4.632,-0.381) 0(4.604,-0.381)
  rect 0.8x1.3 smd: 1(-1.889,2.261) 2(-0.639,2.261) 3(0.611,2.261) 4(1.861,2.261)
  silkscreen extent -2.14,-1.02 2.12,-0.13, body extent -5.07,-1.6 5.07,2.5, height 4.7
"MX 1.25-LS-8P" [mm] "长：14.75m，宽：3.7mm，高：4.7mm"
  rect 2.1x2.5 smd: 0(-7.132,-0.381) 0(7.104,-0.381)
  rect 0.8x1.3 smd: 1(-4.389,2.261) 2(-3.139,2.261) 3(-1.889,2.261) 4(-0.639,2.261) 5(0.611,2.261) 6(1.861,2.261) 7(3.111,2.261) 8(4.361,2.261)
  silkscreen extent -4.64,-1.02 4.62,-0.13, body extent -7.57,-1.6 7.57,2.5, height 4.7
NR2520 [mm] "2.5mm*2.0mm*1.0mm(长*宽*高）"
  rect 0.85x2 smd: 1(-0.825,0) 2(0.825,0)
  silkscreen extent -0.13,-0.83 0.13,0.83, body extent -1.25,-1 1.25,1, height 1.12
NR4020 [mm] "4.0mm*4.0mm*2.0mm(长*宽*高）"
  rect 1.1x3.7 smd: 1(-1.5,0) 2(1.5,0)
  silkscreen extent -0.13,-1.59 0.13,1.59, body extent -2,-2 2,2, height 2.1
"OSC 3215-2P" [mm] "3.2*1.5*0.6mm(长宽高)"
  rect 1.2x1.5 smd: 1(-1.65,0) 2(1.65,0)
  silkscreen extent -0.89,-0.51 0.89,0.51, body extent -1.6,-0.75 1.6,0.75, height 0.61
PJ342A [mm] "有头"
  round 1.5 hole 1.5: 0(0,-4.4) 0(0,-11.5)
  rect 2.3x1.2 smd: 1(-3.81,-4.1) 2(3.556,-4.1) 3(-3.81,-7.5) 4(3.556,-11.3) 5(-3.81,-13) 6(3.556,-13.6)
  body extent -4.15,-14.1 4.15,0, height 4.7
"QFN24 4X4_L" [mm] "24脚，长x宽x高：4x4x1mm，脚距：0.5mm"
  rect 0.25x0.8 smd: 1(-1.25,-2)
  oval 0.25x0.8 smd: 2(-0.75,-2) 3(-0.25,-2) 4(0.25,-2) 5(0.75,-2) 6(1.25,-2) 13(1.25,2) 14(0.75,2) 15(0.25,2) 16(-0.25,2) 17(-0.75,2) 18(-1.25,2)
  oval 0.8x0.25 smd: 7(2,-1.25) 8(2,-0.75) 9(2,-0.25) 10(2,0.25) 11(2,0.75) 12(2,1.25) 19(-2,1.25) 20(-2,0.75) 21(-2,0.25) 22(-2,-0.25) 23(-2,-0.75) 24(-2,-1.25)
  rect 1x1 smd: 25(0,0)
  L1_Sig region: -1,1 1,1 1,-1 -0.75,-1 -1,-0.75
  silkscreen extent -2.12,-2.12 -1.88,-1.88, body extent -2.01,-2.01 2.01,2.01, height 0.95